# Allegro board WNS_FDM_2V1-1221P2.brd (continued)
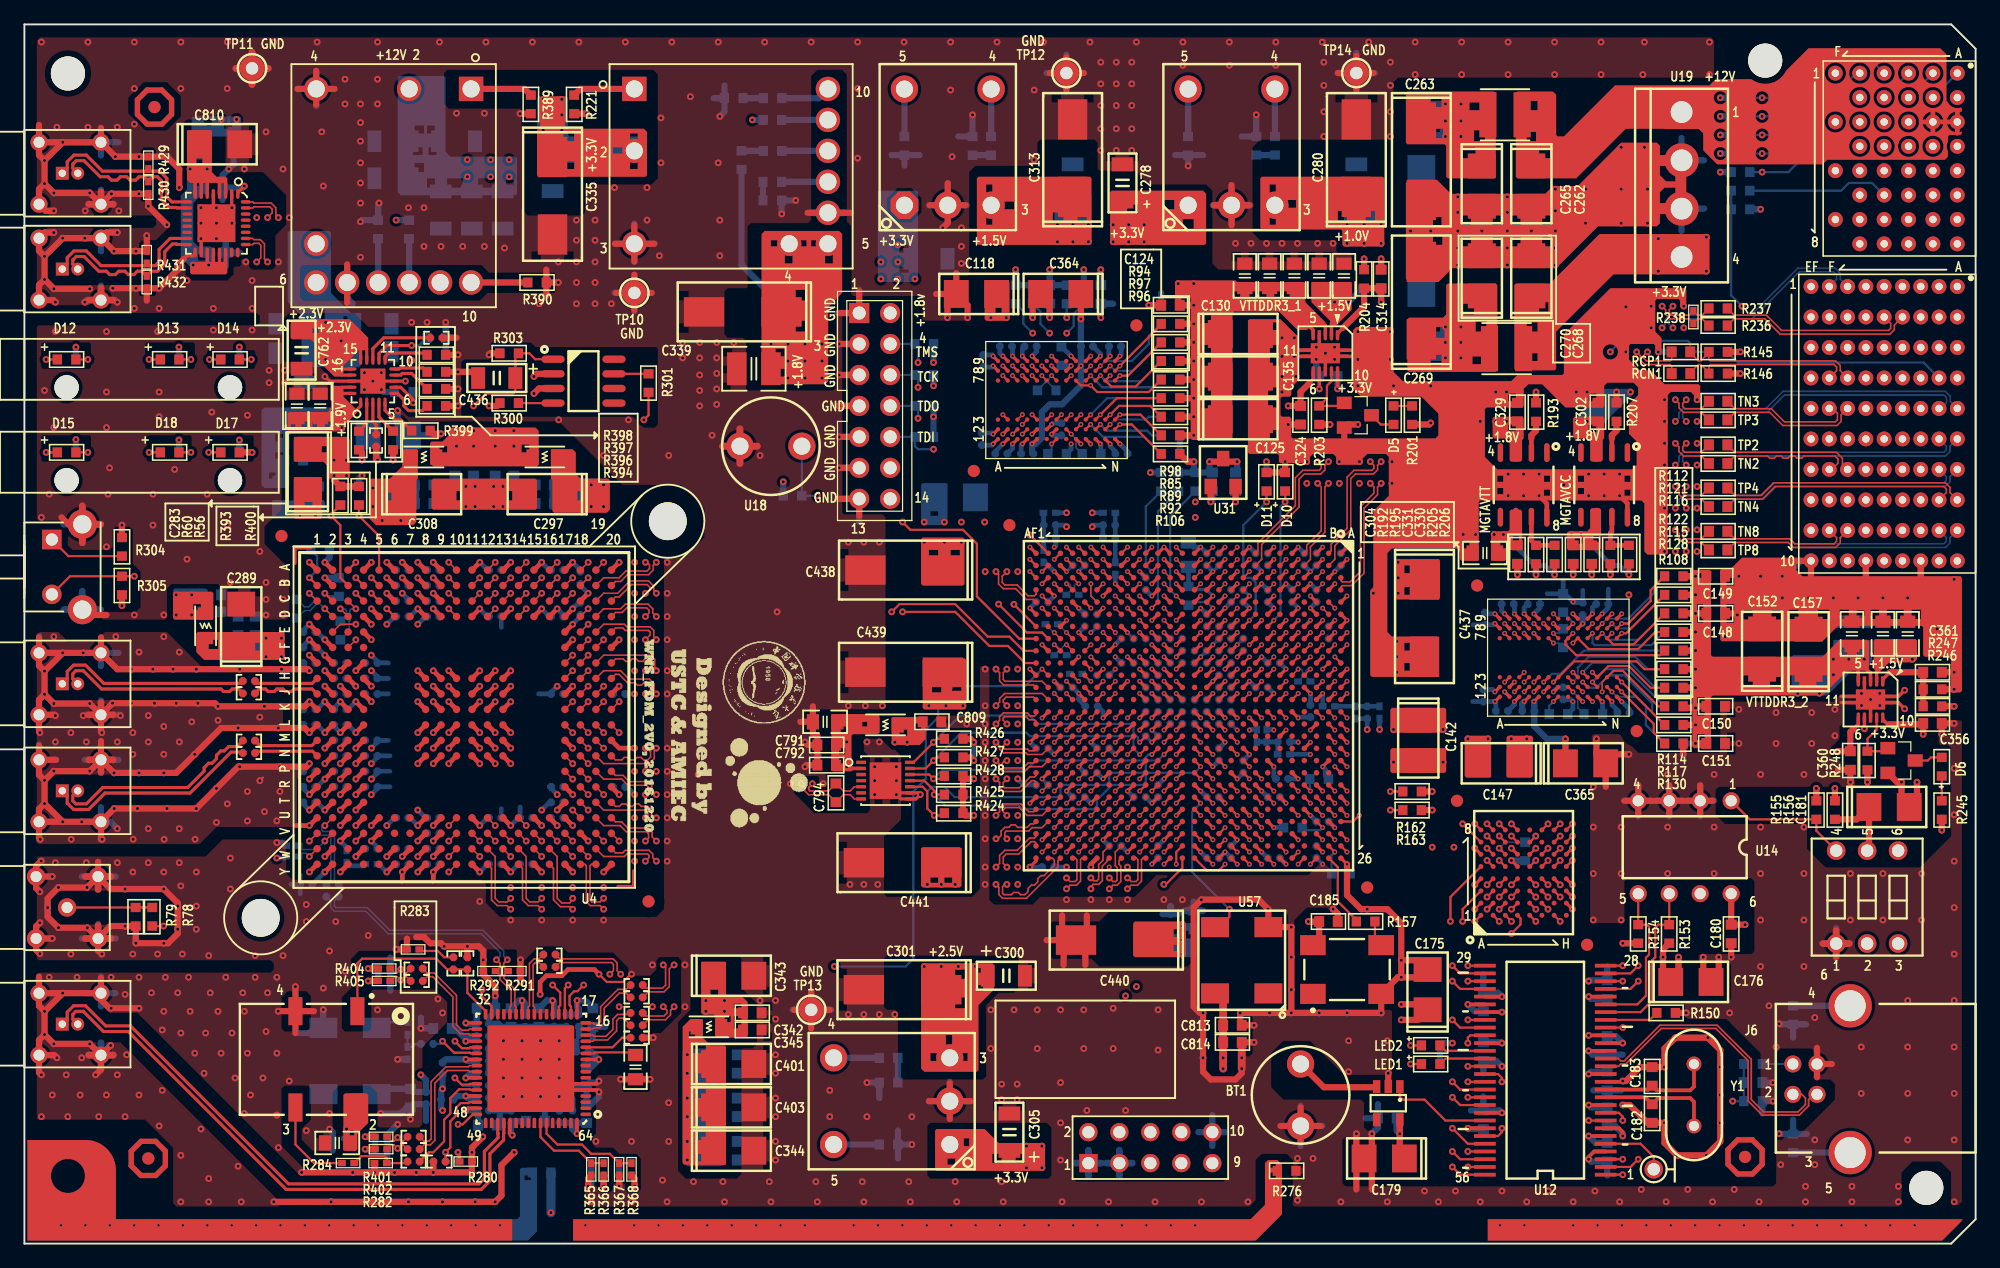
[diagram p0: board, top side]
## Text on the board (continued)
Ref Des/Silkscreen Top: GND | 4 | 6 | 3 | +2.3V | 15 | 2 | +12V | 11 | 5 | 10 | 48 | 49 | 32 | 64 | 17 | 16 | 1 | 13 | +3.3V | 14 | TMS | TCK | TDO | TDI | +2.5V | +1.5V | A | AF1 | N | + | VTTDDR3_1 | B | +1.0V | 26 | 56 | 29 | 8 | +1.8V | H | 28 | VTTDDR3_2 | EF | F | +1.9V | +1.8v | 9 | 7 | MGTAVTT | MGTAVCC
DIMENSION: S7CTC001A0 | Pressfit holes:24.00mil  Tolerance:+/-2mil
DISPLAY_TOP: FIGURE | SIZE | 8.0 | 10.0 | 23.622 | 24.0 | 32.0 | 35.4 | 35.433 | 36.0 | 39.37 | 40.0 | 42.0 | 55.0 | 55.118 | 59.055 | 70.0 | 100.0 | 110.0 | 78.701 | 122.047 | DRILL CHART: TOP to BOTTOM | ALL UNITS ARE IN MILS | TOLERANCE | +0.0/-0.0 | +2.0/-2.0 | PLATED | NON-PLATED | QTY | 749 | 1851 | 10 | 134 | 2 | 20 | 5 | 12 | 14 | 19 | 4 | 1 | 3
